# Altium PCB PCB1.PcbDoc (part 8 of 15)
Units mm, origin at the board's own origin, x right, y up, seen from the top; angles counter-clockwise.
Board outline 77.21 x 58.7 mm, 2 copper layers (Top Layer, Bottom Layer); 194 components, 134 nets, 25878 pads, 596 vias.
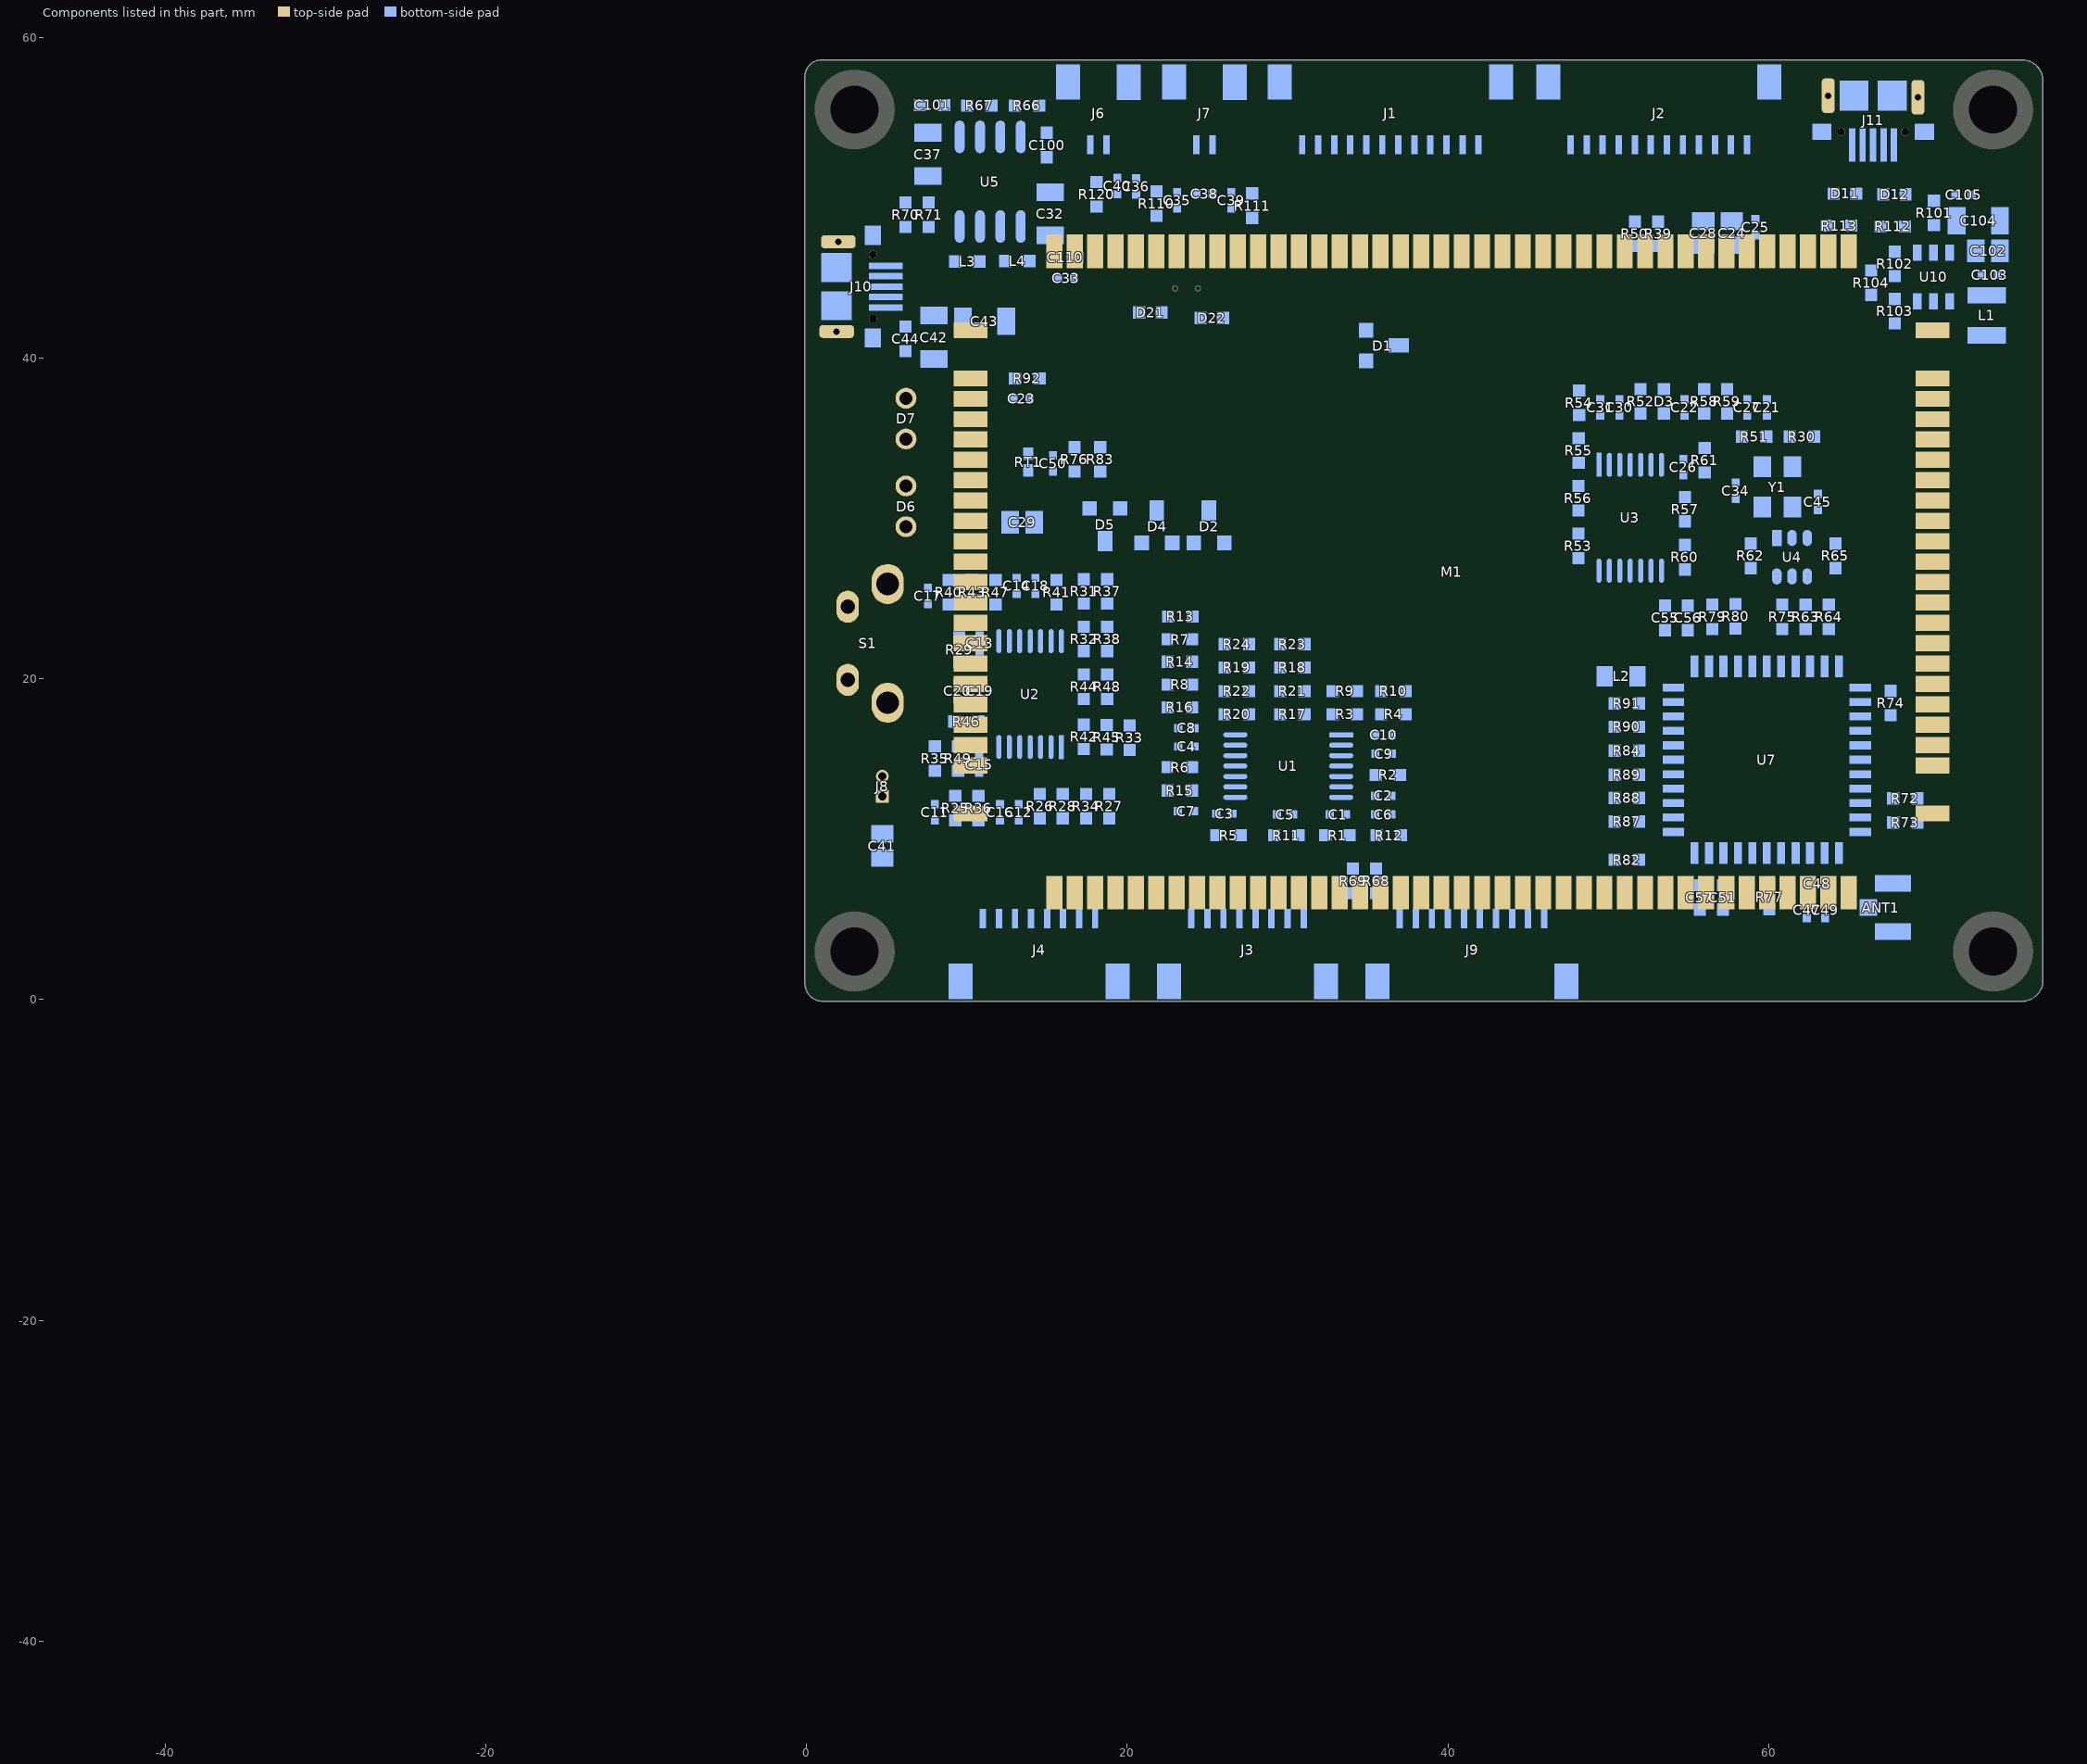
[diagram p8: the components of this part, seen from the top]

## Free pads (board coordinates) (continued)
  round 0 on Mech2: 1(-45.271,-44.012) 1(-45.271,-44.005) 1(-45.271,-44.005) 1(-45.271,-44.005) 1(-45.271,-44.004) 1(-45.271,-44.004) 1(-45.271,-44.004) 1(-45.271,-44.002) 1(-45.271,-44.002) 1(-45.271,-44.002) 1(-45.271,-44.001) 1(-45.271,-44.001) 1(-45.271,-44.001) 1(-45.271,-44.001) 1(-45.271,-44.001) 1(-45.271,-44.001) 1(-45.271,-44) 1(-45.271,-44) 1(-45.271,-44) 1(-45.271,-44) 1(-45.271,-44) 1(-45.271,-44) 1(-45.271,-44.001) 1(-45.271,-44.001) 1(-45.271,-44.001) 1(-45.271,-43.998) 1(-45.271,-43.998) 1(-45.271,-43.998) 1(-45.271,-43.998) 1(-45.271,-43.998) 1(-45.271,-43.998) 1(-45.271,-43.996) 1(-45.271,-43.996) 1(-45.271,-43.996) 1(-45.271,-43.996) 1(-45.271,-43.996) 1(-45.271,-43.996) 1(-45.271,-43.99) 1(-45.271,-43.99) 1(-45.271,-43.99) 1(-45.271,-43.99) 1(-45.271,-43.99) 1(-45.271,-43.99) 1(-45.271,-43.982) 1(-45.271,-43.982) 1(-45.271,-43.982) 1(-45.271,-43.982) 1(-45.271,-43.982) 1(-45.271,-43.982) 1(-45.271,-43.981) 1(-45.271,-43.981) 1(-45.271,-43.981) 1(-45.271,-43.981) 1(-45.271,-43.981) 1(-45.271,-43.981) 1(-45.271,-43.976) 1(-45.271,-43.976) 1(-45.271,-43.976) 1(-45.271,-43.975) 1(-45.271,-43.975) 1(-45.271,-43.975) 1(-45.271,-43.975) 1(-45.271,-43.975) 1(-45.271,-43.975) 1(-45.271,-43.974) 1(-45.271,-43.974) 1(-45.271,-43.974) 1(-45.271,-43.976) 1(-45.271,-43.976) 1(-45.271,-43.976) 1(-45.27,-44.014) 1(-45.27,-44.014) 1(-45.27,-44.014) 1(-45.27,-43.984) 1(-45.27,-43.984) 1(-45.27,-43.984) 1(-45.27,-43.984) 1(-45.27,-43.984) 1(-45.27,-43.984) 1(-45.27,-43.983) 1(-45.27,-43.983) 1(-45.27,-43.983) 1(-45.27,-43.983) 1(-45.27,-43.983) 1(-45.27,-43.983) 1(-45.27,-43.975) 1(-45.27,-43.975) 1(-45.27,-43.975) 1(-45.27,-43.975) 1(-45.27,-43.975) 1(-45.27,-43.975) 1(-45.27,-44.011) 1(-45.27,-44.011) 1(-45.27,-44.011) 1(-45.27,-43.976) 1(-45.27,-43.976) 1(-45.27,-43.976) 1(-45.27,-43.994) 1(-45.27,-43.994) 1(-45.27,-43.994) 1(-45.27,-43.991) 1(-45.27,-43.991) 1(-45.27,-43.991) 1(-45.27,-44.016) 1(-45.27,-44.016) 1(-45.27,-44.016) 1(-45.27,-43.97) 1(-45.27,-43.97) 1(-45.27,-43.97) 1(-45.27,-44.024) 1(-45.27,-44.024) 1(-45.27,-44.024) 1(-45.27,-44) 1(-45.27,-44) 1(-45.27,-44) 1(-45.27,-44.02) 1(-45.27,-44.02) 1(-45.27,-44.02) 1(-45.27,-44.018) 1(-45.27,-44.018) 1(-45.27,-44.018) 1(-45.27,-44.018) 1(-45.27,-44.018) 1(-45.27,-44.018) 1(-45.27,-44.012) 1(-45.27,-44.012) 1(-45.27,-44.012) 1(-45.27,-44.012) 1(-45.27,-44.012) 1(-45.27,-44.012) 1(-45.27,-44.01) 1(-45.27,-44.01) 1(-45.27,-44.01) 1(-45.27,-44.01) 1(-45.27,-44.01) 1(-45.27,-44.01) 1(-45.27,-44.007) 1(-45.27,-44.007) 1(-45.27,-44.007) 1(-45.27,-44.005) 1(-45.27,-44.005) 1(-45.27,-44.005) 1(-45.27,-44.005) 1(-45.27,-44.005) 1(-45.27,-44.005) 1(-45.27,-44.004) 1(-45.27,-44.004) 1(-45.27,-44.004) 1(-45.27,-44.002) 1(-45.27,-44.002) 1(-45.27,-44.002) 1(-45.27,-44.002) 1(-45.27,-44.002) 1(-45.27,-44.002) 1(-45.27,-44.001) 1(-45.27,-44.001) 1(-45.27,-44.001) 1(-45.27,-44.001) 1(-45.27,-44.001) 1(-45.27,-44.001) 1(-45.27,-44.001) 1(-45.27,-44.001) 1(-45.27,-44.001) 1(-45.27,-43.976) 1(-45.27,-43.976) 1(-45.27,-43.976) 1(-45.27,-43.976) 1(-45.27,-43.976) 1(-45.27,-43.976) 1(-45.27,-43.997) 1(-45.27,-43.997) 1(-45.27,-43.997) 1(-45.27,-43.997) 1(-45.27,-43.997) 1(-45.27,-43.997) 1(-45.27,-43.996) 1(-45.27,-43.996) 1(-45.27,-43.996) 1(-45.27,-43.996) 1(-45.27,-43.996) 1(-45.27,-43.996) 1(-45.27,-43.99) 1(-45.27,-43.99) 1(-45.27,-43.99) 1(-45.27,-43.99) 1(-45.27,-43.99) 1(-45.27,-43.99) 1(-45.269,-44.013) 1(-45.269,-44.013) 1(-45.269,-44.013) 1(-45.269,-44.012) 1(-45.269,-44.012) 1(-45.269,-44.012) 1(-45.269,-44.012) 1(-45.269,-44.012) 1(-45.269,-44.012) 1(-45.269,-44.01) 1(-45.269,-44.01) 1(-45.269,-44.01) 1(-45.269,-44.01) 1(-45.269,-44.01) 1(-45.269,-44.01) 1(-45.269,-44.01) 1(-45.269,-44.01) 1(-45.269,-44.01) 1(-45.269,-44.01) 1(-45.269,-44.01) 1(-45.269,-44.01) 1(-45.269,-44.01) 1(-45.269,-44.01) 1(-45.269,-44.01) 1(-45.269,-44.009) 1(-45.269,-44.009) 1(-45.269,-44.009) 1(-45.269,-44.008) 1(-45.269,-44.008) 1(-45.269,-44.008) 1(-45.269,-44.008) 1(-45.269,-44.008) 1(-45.269,-44.008) 1(-45.269,-44.007) 1(-45.269,-44.007) 1(-45.269,-44.007) 1(-45.269,-44.007) 1(-45.269,-44.007) 1(-45.269,-44.007) 1(-45.269,-44.012) 1(-45.269,-44.012) 1(-45.269,-44.012) 1(-45.269,-44.012) 1(-45.269,-44.012) 1(-45.269,-44.012) 1(-45.269,-43.975) 1(-45.269,-43.975) 1(-45.269,-43.975) 1(-45.269,-43.975) 1(-45.269,-43.975) 1(-45.269,-43.975) 1(-45.269,-43.975) 1(-45.269,-43.975) 1(-45.269,-43.975) 1(-45.269,-43.975) 1(-45.269,-43.975) 1(-45.269,-43.975) 1(-45.269,-43.972) 1(-45.269,-43.972) 1(-45.269,-43.972) 1(-45.269,-43.981) 1(-45.269,-43.981) 1(-45.269,-43.981) 1(-45.269,-43.981) 1(-45.269,-43.981) 1(-45.269,-43.981) 1(-45.269,-44.014) 1(-45.269,-44.014) 1(-45.269,-44.014) 1(-45.269,-43.975) 1(-45.269,-43.975) 1(-45.269,-43.975) 1(-45.269,-43.975) 1(-45.269,-43.975) 1(-45.269,-43.975) 1(-45.269,-44.002) 1(-45.269,-44.002) 1(-45.269,-44.002) 1(-45.269,-44.002) 1(-45.269,-44.002) 1(-45.269,-44.002) 1(-45.269,-43.976) 1(-45.269,-43.976) 1(-45.269,-43.976) 1(-45.269,-43.976) 1(-45.269,-43.976) 1(-45.269,-43.976) 1(-45.269,-43.982) 1(-45.269,-43.982) 1(-45.269,-43.982) 1(-45.269,-43.982) 1(-45.269,-43.982) 1(-45.269,-43.982) 1(-45.269,-44.011) 1(-45.269,-44.011) 1(-45.269,-44.011) 1(-45.269,-44.011) 1(-45.269,-44.011) 1(-45.269,-44.011) 1(-45.269,-44.022) 1(-45.269,-44.022) 1(-45.269,-44.022) 1(-45.269,-43.975) 1(-45.269,-43.975) 1(-45.269,-43.975) 1(-45.269,-43.975) 1(-45.269,-43.975) 1(-45.269,-43.975) 1(-45.269,-44.008) 1(-45.269,-44.008) 1(-45.269,-44.008) 1(-45.269,-44.008) 1(-45.269,-44.008) 1(-45.269,-44.008) 1(-45.269,-44.006) 1(-45.269,-44.006) 1(-45.269,-44.006) 1(-45.269,-44.006) 1(-45.269,-44.006) 1(-45.269,-44.006) 1(-45.269,-44.01) 1(-45.269,-44.01) 1(-45.269,-44.01) 1(-45.269,-44.01) 1(-45.269,-44.01) 1(-45.269,-44.01) 1(-45.269,-44.009) 1(-45.269,-44.009) 1(-45.269,-44.009) 1(-45.269,-44.009) 1(-45.269,-44.009) 1(-45.269,-44.009) 1(-45.269,-43.995) 1(-45.269,-43.995) 1(-45.269,-43.995) 1(-45.269,-43.995) 1(-45.269,-43.995) 1(-45.269,-43.995) 1(-45.269,-43.995) 1(-45.269,-43.995) 1(-45.269,-43.995) 1(-45.269,-43.995) 1(-45.269,-43.995) 1(-45.269,-43.995) 1(-45.269,-44.012) 1(-45.269,-44.012) 1(-45.269,-44.012) 1(-45.269,-43.993) 1(-45.269,-43.993) 1(-45.269,-43.993) 1(-45.269,-43.994) 1(-45.269,-43.994) 1(-45.269,-43.994) 1(-45.269,-44.002) 1(-45.269,-44.002) 1(-45.269,-44.002) 1(-45.268,-44.008) 1(-45.268,-44.008) 1(-45.268,-44.008) 1(-45.268,-44.008) 1(-45.268,-44.008) 1(-45.268,-44.008) 1(-45.268,-44.005) 1(-45.268,-44.005) 1(-45.268,-44.005) 1(-45.268,-44.005) 1(-45.268,-44.005) 1(-45.268,-44.005) 1(-45.268,-43.98) 1(-45.268,-43.98) 1(-45.268,-43.98) 1(-45.268,-43.975) 1(-45.268,-43.975) 1(-45.268,-43.975) 1(-45.268,-43.975) 1(-45.268,-43.975) 1(-45.268,-43.975) 1(-45.268,-43.972) 1(-45.268,-43.972) 1(-45.268,-43.972) 1(-45.268,-43.976) 1(-45.268,-43.976) 1(-45.268,-43.976) 1(-45.268,-43.976) 1(-45.268,-43.976) 1(-45.268,-43.976) 1(-45.268,-43.975) 1(-45.268,-43.975) 1(-45.268,-43.975) 1(-45.268,-43.975) 1(-45.268,-43.975) 1(-45.268,-43.975) 1(-45.268,-43.975) 1(-45.268,-43.975) 1(-45.268,-43.975) 1(-45.268,-44.01) 1(-45.268,-44.01) 1(-45.268,-44.01) 1(-45.268,-44.01) 1(-45.268,-44.01) 1(-45.268,-44.01) 1(-45.268,-43.99) 1(-45.268,-43.99) 1(-45.268,-43.99) 1(-45.268,-43.976) 1(-45.268,-43.976) 1(-45.268,-43.976) 1(-45.268,-43.976) 1(-45.268,-43.976) 1(-45.268,-43.976) 1(-45.268,-44.01) 1(-45.268,-44.01) 1(-45.268,-44.01) 1(-45.268,-44.01) 1(-45.268,-44.01) 1(-45.268,-44.01) 1(-45.268,-44.01) 1(-45.268,-44.01) 1(-45.268,-44.01) 1(-45.268,-44.01) 1(-45.268,-44.01) 1(-45.268,-44.01) 1(-45.268,-44.015) 1(-45.268,-44.015) 1(-45.268,-44.015) 1(-45.268,-44.015) 1(-45.268,-44.015) 1(-45.268,-44.015) 1(-45.268,-44.015) 1(-45.268,-44.015) 1(-45.268,-44.015) 1(-45.268,-44.015) 1(-45.268,-44.015) 1(-45.268,-44.015) 1(-45.268,-43.97) 1(-45.268,-43.97) 1(-45.268,-43.97) 1(-45.268,-44.015) 1(-45.268,-44.015) 1(-45.268,-44.015) 1(-45.268,-44.015) 1(-45.268,-44.015) 1(-45.268,-44.015) 1(-45.268,-44.013) 1(-45.268,-44.013) 1(-45.268,-44.013) 1(-45.268,-44.013) 1(-45.268,-44.013) 1(-45.268,-44.013) 1(-45.268,-44.013) 1(-45.268,-44.013) 1(-45.268,-44.013) 1(-45.268,-44.013) 1(-45.268,-44.013) 1(-45.268,-44.013) 1(-45.268,-44.001) 1(-45.268,-44.001) 1(-45.268,-44.001) 1(-45.268,-43.999) 1(-45.268,-43.999) 1(-45.268,-43.999) 1(-45.268,-44.004) 1(-45.268,-44.004) 1(-45.268,-44.004) 1(-45.268,-44.004) 1(-45.268,-44.004) 1(-45.268,-44.004) 1(-45.268,-44.008) 1(-45.268,-44.008) 1(-45.268,-44.008) 1(-45.268,-44.008) 1(-45.268,-44.008) 1(-45.268,-44.008) 1(-45.268,-44.009) 1(-45.268,-44.009) 1(-45.268,-44.009) 1(-45.268,-44.009) 1(-45.268,-44.009) 1(-45.268,-44.009) 1(-45.268,-44.012) 1(-45.268,-44.012) 1(-45.268,-44.012) 1(-45.268,-44.012) 1(-45.268,-44.012) 1(-45.268,-44.012) 1(-45.268,-44.005) 1(-45.268,-44.005) 1(-45.268,-44.005) 1(-45.268,-43.982) 1(-45.268,-43.982) 1(-45.268,-43.982) 1(-45.268,-43.981) 1(-45.268,-43.981) 1(-45.268,-43.981) 1(-45.268,-43.981) 1(-45.268,-43.981) 1(-45.268,-43.981) 1(-45.268,-44.02) 1(-45.268,-44.02) 1(-45.268,-44.02) 1(-45.268,-44.016) 1(-45.268,-44.016) 1(-45.268,-44.016) 1(-45.268,-44.016) 1(-45.268,-44.016) 1(-45.268,-44.016) 1(-45.268,-43.981) 1(-45.268,-43.981) 1(-45.268,-43.981) 1(-45.268,-43.981) 1(-45.268,-43.981) 1(-45.268,-43.981) 1(-45.268,-43.996) 1(-45.268,-43.996) 1(-45.268,-43.996) 1(-45.268,-43.996) 1(-45.268,-43.996) 1(-45.268,-43.996) 1(-45.268,-43.988) 1(-45.268,-43.988) 1(-45.268,-43.988) 1(-45.268,-43.988) 1(-45.268,-43.988) 1(-45.268,-43.988) 1(-45.268,-44.007) 1(-45.268,-44.007) 1(-45.268,-44.007) 1(-45.268,-44.006) 1(-45.268,-44.006) 1(-45.268,-44.006) 1(-45.268,-44.004) 1(-45.268,-44.004) 1(-45.268,-44.004) 1(-45.268,-44.004) 1(-45.268,-44.004) 1(-45.268,-44.004) 1(-45.268,-44.003) 1(-45.268,-44.003) 1(-45.268,-44.003) 1(-45.268,-44.002) 1(-45.268,-44.002) 1(-45.268,-44.002) 1(-45.268,-44.002) 1(-45.268,-44.002) 1(-45.268,-44.002) 1(-45.268,-43.998) 1(-45.268,-43.998) 1(-45.268,-43.998) 1(-45.268,-44.006) 1(-45.268,-44.006) 1(-45.268,-44.006) 1(-45.268,-44.006) 1(-45.268,-44.006) 1(-45.268,-44.006) 1(-45.268,-44.002) 1(-45.268,-44.002) 1(-45.268,-44.002) 1(-45.268,-44.002) 1(-45.268,-44.002) 1(-45.268,-44.002) 1(-45.267,-43.975) 1(-45.267,-43.975) 1(-45.267,-43.975) 1(-45.267,-43.975) 1(-45.267,-43.975) 1(-45.267,-43.975) 1(-45.267,-43.976) 1(-45.267,-43.976) 1(-45.267,-43.976) 1(-45.267,-43.975) 1(-45.267,-43.975) 1(-45.267,-43.975) 1(-45.267,-43.975) 1(-45.267,-43.975) 1(-45.267,-43.975) 1(-45.267,-43.975) 1(-45.267,-43.975) 1(-45.267,-43.975) 1(-45.267,-43.975) 1(-45.267,-43.975) 1(-45.267,-43.975) 1(-45.267,-44.022) 1(-45.267,-44.022) 1(-45.267,-44.022) 1(-45.267,-44.013) 1(-45.267,-44.013) 1(-45.267,-44.013) 1(-45.267,-44.013) 1(-45.267,-44.013) 1(-45.267,-44.013) 1(-45.267,-44.013) 1(-45.267,-44.013) 1(-45.267,-44.013) 1(-45.267,-44.006) 1(-45.267,-44.006) 1(-45.267,-44.006) 1(-45.267,-44.006) 1(-45.267,-44.006) 1(-45.267,-44.006) 1(-45.267,-44.012) 1(-45.267,-44.012) 1(-45.267,-44.012) 1(-45.267,-44.012) 1(-45.267,-44.012) 1(-45.267,-44.012) 1(-45.267,-44.012) 1(-45.267,-44.012) 1(-45.267,-44.012) 1(-45.267,-44.011) 1(-45.267,-44.011) 1(-45.267,-44.011) 1(-45.267,-44.01) 1(-45.267,-44.01) 1(-45.267,-44.01) 1(-45.267,-44.01) 1(-45.267,-44.01) 1(-45.267,-44.01) 1(-45.267,-44.01) 1(-45.267,-44.01) 1(-45.267,-44.01) 1(-45.267,-44.009) 1(-45.267,-44.009) 1(-45.267,-44.009) 1(-45.267,-44.009) 1(-45.267,-44.009) 1(-45.267,-44.009) 1(-45.267,-44.008) 1(-45.267,-44.008) 1(-45.267,-44.008) 1(-45.267,-44.008) 1(-45.267,-44.008) 1(-45.267,-44.008) 1(-45.267,-44.008) 1(-45.267,-44.008) 1(-45.267,-44.008) 1(-45.267,-44.001) 1(-45.267,-44.001) 1(-45.267,-44.001) 1(-45.267,-44.001) 1(-45.267,-44.001) 1(-45.267,-44.001) 1(-45.267,-43.988) 1(-45.267,-43.988) 1(-45.267,-43.988) 1(-45.267,-43.988) 1(-45.267,-43.988) 1(-45.267,-43.988) 1(-45.267,-43.981) 1(-45.267,-43.981) 1(-45.267,-43.981) 1(-45.267,-44.015) 1(-45.267,-44.015) 1(-45.267,-44.015) 1(-45.267,-44.016) 1(-45.267,-44.016) 1(-45.267,-44.016) 1(-45.266,-44.013) 1(-45.266,-44.013) 1(-45.266,-44.013) 1(-45.266,-44.013) 1(-45.266,-44.013) 1(-45.266,-44.013) 1(-45.266,-44.013) 1(-45.266,-44.013) 1(-45.266,-44.013) 1(-45.266,-43.98) 1(-45.266,-43.98) 1(-45.266,-43.98) 1(-45.266,-44.012) 1(-45.266,-44.012) 1(-45.266,-44.012) 1(-45.266,-44.012) 1(-45.266,-44.012) 1(-45.266,-44.012) 1(-45.266,-44.011) 1(-45.266,-44.011) 1(-45.266,-44.011) 1(-45.266,-44.01) 1(-45.266,-44.01) 1(-45.266,-44.01) 1(-45.266,-44.01) 1(-45.266,-44.01) 1(-45.266,-44.01) 1(-45.266,-44.009) 1(-45.266,-44.009) 1(-45.266,-44.009) 1(-45.266,-44.008) 1(-45.266,-44.008) 1(-45.266,-44.008) 1(-45.266,-44) 1(-45.266,-44) 1(-45.266,-44) 1(-45.266,-43.996) 1(-45.266,-43.996) 1(-45.266,-43.996) 1(-45.266,-43.995) 1(-45.266,-43.995) 1(-45.266,-43.995) 1(-45.266,-43.995) 1(-45.266,-43.995) 1(-45.266,-43.995) 1(-45.266,-43.988) 1(-45.266,-43.988) 1(-45.266,-43.988) 1(-45.266,-43.988) 1(-45.266,-43.988) 1(-45.266,-43.988) 1(-45.266,-44.008) 1(-45.266,-44.008) 1(-45.266,-44.008) 1(-45.266,-44.008) 1(-45.266,-44.008) 1(-45.266,-44.008) 1(-45.266,-44.002) 1(-45.266,-44.002) 1(-45.266,-44.002) 1(-45.266,-44.002) 1(-45.266,-44.002) 1(-45.266,-44.002) 1(-45.266,-44.007) 1(-45.266,-44.007) 1(-45.266,-44.007) 1(-45.266,-44.007) 1(-45.266,-44.007) 1(-45.266,-44.007) 1(-45.266,-44.006) 1(-45.266,-44.006) 1(-45.266,-44.006) 1(-45.266,-44.004) 1(-45.266,-44.004) 1(-45.266,-44.004) 1(-45.266,-44.004) 1(-45.266,-44.004) 1(-45.266,-44.004) 1(-45.266,-44.003) 1(-45.266,-44.003) 1(-45.266,-44.003) 1(-45.266,-44.012) 1(-45.266,-44.012) 1(-45.266,-44.012) 1(-45.266,-44.012) 1(-45.266,-44.012) 1(-45.266,-44.012) 1(-45.266,-44.009) 1(-45.266,-44.009) 1(-45.266,-44.009) 1(-45.266,-44.009) 1(-45.266,-44.009) 1(-45.266,-44.009) 1(-45.266,-43.975) 1(-45.266,-43.975) 1(-45.266,-43.975) 1(-45.266,-43.975) 1(-45.266,-43.975) 1(-45.266,-43.975) 1(-45.266,-43.976) 1(-45.266,-43.976) 1(-45.266,-43.976) 1(-45.266,-43.975) 1(-45.266,-43.975) 1(-45.266,-43.975) 1(-45.266,-44.01) 1(-45.266,-44.01) 1(-45.266,-44.01) 1(-45.266,-44.01) 1(-45.266,-44.01) 1(-45.266,-44.01) 1(-45.266,-44.009) 1(-45.266,-44.009) 1(-45.266,-44.009) 1(-45.266,-44.009) 1(-45.266,-44.009) 1(-45.266,-44.009) 1(-45.266,-44.008) 1(-45.266,-44.008) 1(-45.266,-44.008) 1(-45.266,-44.008) 1(-45.266,-44.008) 1(-45.266,-44.008) 1(-45.266,-44.001) 1(-45.266,-44.001) 1(-45.266,-44.001) 1(-45.266,-44.001) 1(-45.266,-44.001) 1(-45.266,-44.001) 1(-45.266,-43.988) 1(-45.266,-43.988) 1(-45.266,-43.988) 1(-45.266,-43.988) 1(-45.266,-43.988) 1(-45.266,-43.988) 1(-45.266,-44.02) 1(-45.266,-44.02) 1(-45.266,-44.02) 1(-45.266,-44.016) 1(-45.266,-44.016) 1(-45.266,-44.016) 1(-45.266,-44.016) 1(-45.266,-44.016) 1(-45.266,-44.016) 1(-45.266,-44.015) 1(-45.266,-44.015) 1(-45.266,-44.015) 1(-45.266,-44.015) 1(-45.266,-44.015) 1(-45.266,-44.015) 1(-45.266,-44.015) 1(-45.266,-44.015) 1(-45.266,-44.015) 1(-45.265,-44.012) 1(-45.265,-44.012) 1(-45.265,-44.012) 1(-45.265,-44.01) 1(-45.265,-44.01) 1(-45.265,-44.01) 1(-45.265,-44.01) 1(-45.265,-44.01) 1(-45.265,-44.01) 1(-45.265,-44.008) 1(-45.265,-44.008) 1(-45.265,-44.008) 1(-45.265,-44.008) 1(-45.265,-44.008) 1(-45.265,-44.008) 1(-45.265,-43.975) 1(-45.265,-43.975) 1(-45.265,-43.975) 1(-45.265,-43.975) 1(-45.265,-43.975) 1(-45.265,-43.975) 1(-45.265,-44.002) 1(-45.265,-44.002) 1(-45.265,-44.002) 1(-45.265,-44.002) 1(-45.265,-44.002) 1(-45.265,-44.002) 1(-45.265,-43.97) 1(-45.265,-43.97) 1(-45.265,-43.97) 1(-45.265,-44.004) 1(-45.265,-44.004) 1(-45.265,-44.004) 1(-45.265,-44.004) 1(-45.265,-44.004) 1(-45.265,-44.004) 1(-45.265,-44.016) 1(-45.265,-44.016) 1(-45.265,-44.016) 1(-45.265,-44.016) 1(-45.265,-44.016) 1(-45.265,-44.016) 1(-45.265,-44.022) 1(-45.265,-44.022) 1(-45.265,-44.022) 1(-45.265,-44.013) 1(-45.265,-44.013) 1(-45.265,-44.013) 1(-45.265,-44.013) 1(-45.265,-44.013) 1(-45.265,-44.013) 1(-45.265,-44.013) 1(-45.265,-44.013) 1(-45.265,-44.013) 1(-45.265,-43.981) 1(-45.265,-43.981) 1(-45.265,-43.981) 1(-45.265,-43.981) 1(-45.265,-43.981) 1(-45.265,-43.981) 1(-45.265,-43.977) 1(-45.265,-43.977) 1(-45.265,-43.977) 1(-45.265,-43.977) 1(-45.265,-43.977) 1(-45.265,-43.977) 1(-45.265,-43.983) 1(-45.265,-43.983) 1(-45.265,-43.983) 1(-45.265,-43.983) 1(-45.265,-43.983) 1(-45.265,-43.983) 1(-45.265,-44.011) 1(-45.265,-44.011) 1(-45.265,-44.011) 1(-45.265,-44.011) 1(-45.265,-44.011) 1(-45.265,-44.011) 1(-45.265,-44.005) 1(-45.265,-44.005) 1(-45.265,-44.005) 1(-45.265,-44.005) 1(-45.265,-44.005) 1(-45.265,-44.005) 1(-45.265,-43.999) 1(-45.265,-43.999) 1(-45.265,-43.999) 1(-45.265,-43.997) 1(-45.265,-43.997) 1(-45.265,-43.997) 1(-45.265,-43.989) 1(-45.265,-43.989) 1(-45.265,-43.989) 1(-45.265,-44.001) 1(-45.265,-44.001) 1(-45.265,-44.001) 1(-45.265,-43.992) 1(-45.265,-43.992) 1(-45.265,-43.992) 1(-45.265,-44.015) 1(-45.265,-44.015) 1(-45.265,-44.015) 1(-45.265,-43.976) 1(-45.265,-43.976) 1(-45.265,-43.976) 1(-45.265,-43.976) 1(-45.265,-43.976) 1(-45.265,-43.976) 1(-45.265,-44.015) 1(-45.265,-44.015) 1(-45.265,-44.015) 1(-45.265,-44.015) 1(-45.265,-44.015) 1(-45.265,-44.015) 1(-45.265,-44.015) 1(-45.265,-44.015) 1(-45.265,-44.015) 1(-45.264,-43.981) 1(-45.264,-43.981) 1(-45.264,-43.981) 1(-45.264,-43.981) 1(-45.264,-43.981) 1(-45.264,-43.981) 1(-45.264,-43.976) 1(-45.264,-43.976) 1(-45.264,-43.976) 1(-45.264,-43.976) 1(-45.264,-43.976) 1(-45.264,-43.976) 1(-45.264,-44.013) 1(-45.264,-44.013) 1(-45.264,-44.013) 1(-45.264,-44.015) 1(-45.264,-44.015) 1(-45.264,-44.015) 1(-45.264,-44.015) 1(-45.264,-44.015) 1(-45.264,-44.015) 1(-45.264,-44.004) 1(-45.264,-44.004) 1(-45.264,-44.004) 1(-45.264,-44.004) 1(-45.264,-44.004) 1(-45.264,-44.004) 1(-45.264,-44.016) 1(-45.264,-44.016) 1(-45.264,-44.016) 1(-45.264,-44.016) 1(-45.264,-44.016) 1(-45.264,-44.016) 1(-45.264,-44.007) 1(-45.264,-44.007) 1(-45.264,-44.007) 1(-45.264,-44.007) 1(-45.264,-44.007) 1(-45.264,-44.007) 1(-45.264,-44.006) 1(-45.264,-44.006) 1(-45.264,-44.006) 1(-45.264,-44.004) 1(-45.264,-44.004) 1(-45.264,-44.004) 1(-45.264,-44.004) 1(-45.264,-44.004) 1(-45.264,-44.004) 1(-45.264,-44.003) 1(-45.264,-44.003) 1(-45.264,-44.003) 1(-45.264,-44.009) 1(-45.264,-44.009) 1(-45.264,-44.009) 1(-45.264,-43.981) 1(-45.264,-43.981) 1(-45.264,-43.981) 1(-45.264,-43.981) 1(-45.264,-43.981) 1(-45.264,-43.981) 1(-45.264,-43.971) 1(-45.264,-43.971) 1(-45.264,-43.971) 1(-45.264,-43.971) 1(-45.264,-43.971) 1(-45.264,-43.971) 1(-45.264,-44.011) 1(-45.264,-44.011) 1(-45.264,-44.011) 1(-45.264,-44.02) 1(-45.264,-44.02) 1(-45.264,-44.02) 1(-45.264,-44.017) 1(-45.264,-44.017) 1(-45.264,-44.017) 1(-45.264,-44.017) 1(-45.264,-44.017) 1(-45.264,-44.017) 1(-45.263,-44.013) 1(-45.263,-44.013) 1(-45.263,-44.013) 1(-45.263,-44.013) 1(-45.263,-44.013) 1(-45.263,-44.013) 1(-45.263,-43.987) 1(-45.263,-43.987) 1(-45.263,-43.987) 1(-45.263,-44.024) 1(-45.263,-44.024) 1(-45.263,-44.024) 1(-45.263,-44.022) 1(-45.263,-44.022) 1(-45.263,-44.022) 1(-45.263,-44.015) 1(-45.263,-44.015) 1(-45.263,-44.015) 1(-45.263,-44.014) 1(-45.263,-44.014) 1(-45.263,-44.014) 1(-45.263,-44.014) 1(-45.263,-44.014) 1(-45.263,-44.014) 1(-45.263,-43.97) 1(-45.263,-43.97) 1(-45.263,-43.97) 1(-45.263,-43.97) 1(-45.263,-43.97) 1(-45.263,-43.97) 1(-45.263,-44.017) 1(-45.263,-44.017) 1(-45.263,-44.017) 1(-45.263,-44.017) 1(-45.263,-44.017) 1(-45.263,-44.017) 1(-45.263,-44.017) 1(-45.263,-44.017) 1(-45.263,-44.017) 1(-45.263,-44.017) 1(-45.263,-44.017) 1(-45.263,-44.017) 1(-45.263,-43.972) 1(-45.263,-43.972) 1(-45.263,-43.972) 1(-45.263,-43.971) 1(-45.263,-43.971) 1(-45.263,-43.971) 1(-45.263,-43.971) 1(-45.263,-43.971) 1(-45.263,-43.971) 1(-45.263,-43.968) 1(-45.263,-43.968) 1(-45.263,-43.968) 1(-45.263,-43.985) 1(-45.263,-43.985) 1(-45.263,-43.985) 1(-45.263,-43.985) 1(-45.263,-43.985) 1(-45.263,-43.985) 1(-45.263,-44.008) 1(-45.263,-44.008) 1(-45.263,-44.008) 1(-45.263,-44.008) 1(-45.263,-44.008) 1(-45.263,-44.008) 1(-45.263,-44.007) 1(-45.263,-44.007) 1(-45.263,-44.007) 1(-45.263,-44.004) 1(-45.263,-44.004) 1(-45.263,-44.004) 1(-45.263,-44.003) 1(-45.263,-44.003) 1(-45.263,-44.003) 1(-45.263,-43.971) 